# Altium PCB 相敏检波器.PcbDoc
Units mm, origin at the board's own origin, x right, y up, seen from the top; angles counter-clockwise.
Board outline 50 x 40 mm, 2 copper layers (Top Layer, Bottom Layer); 18 components, 11 nets, 61 pads, 3 vias.
Unrouted connection lines stored in the file: 1.
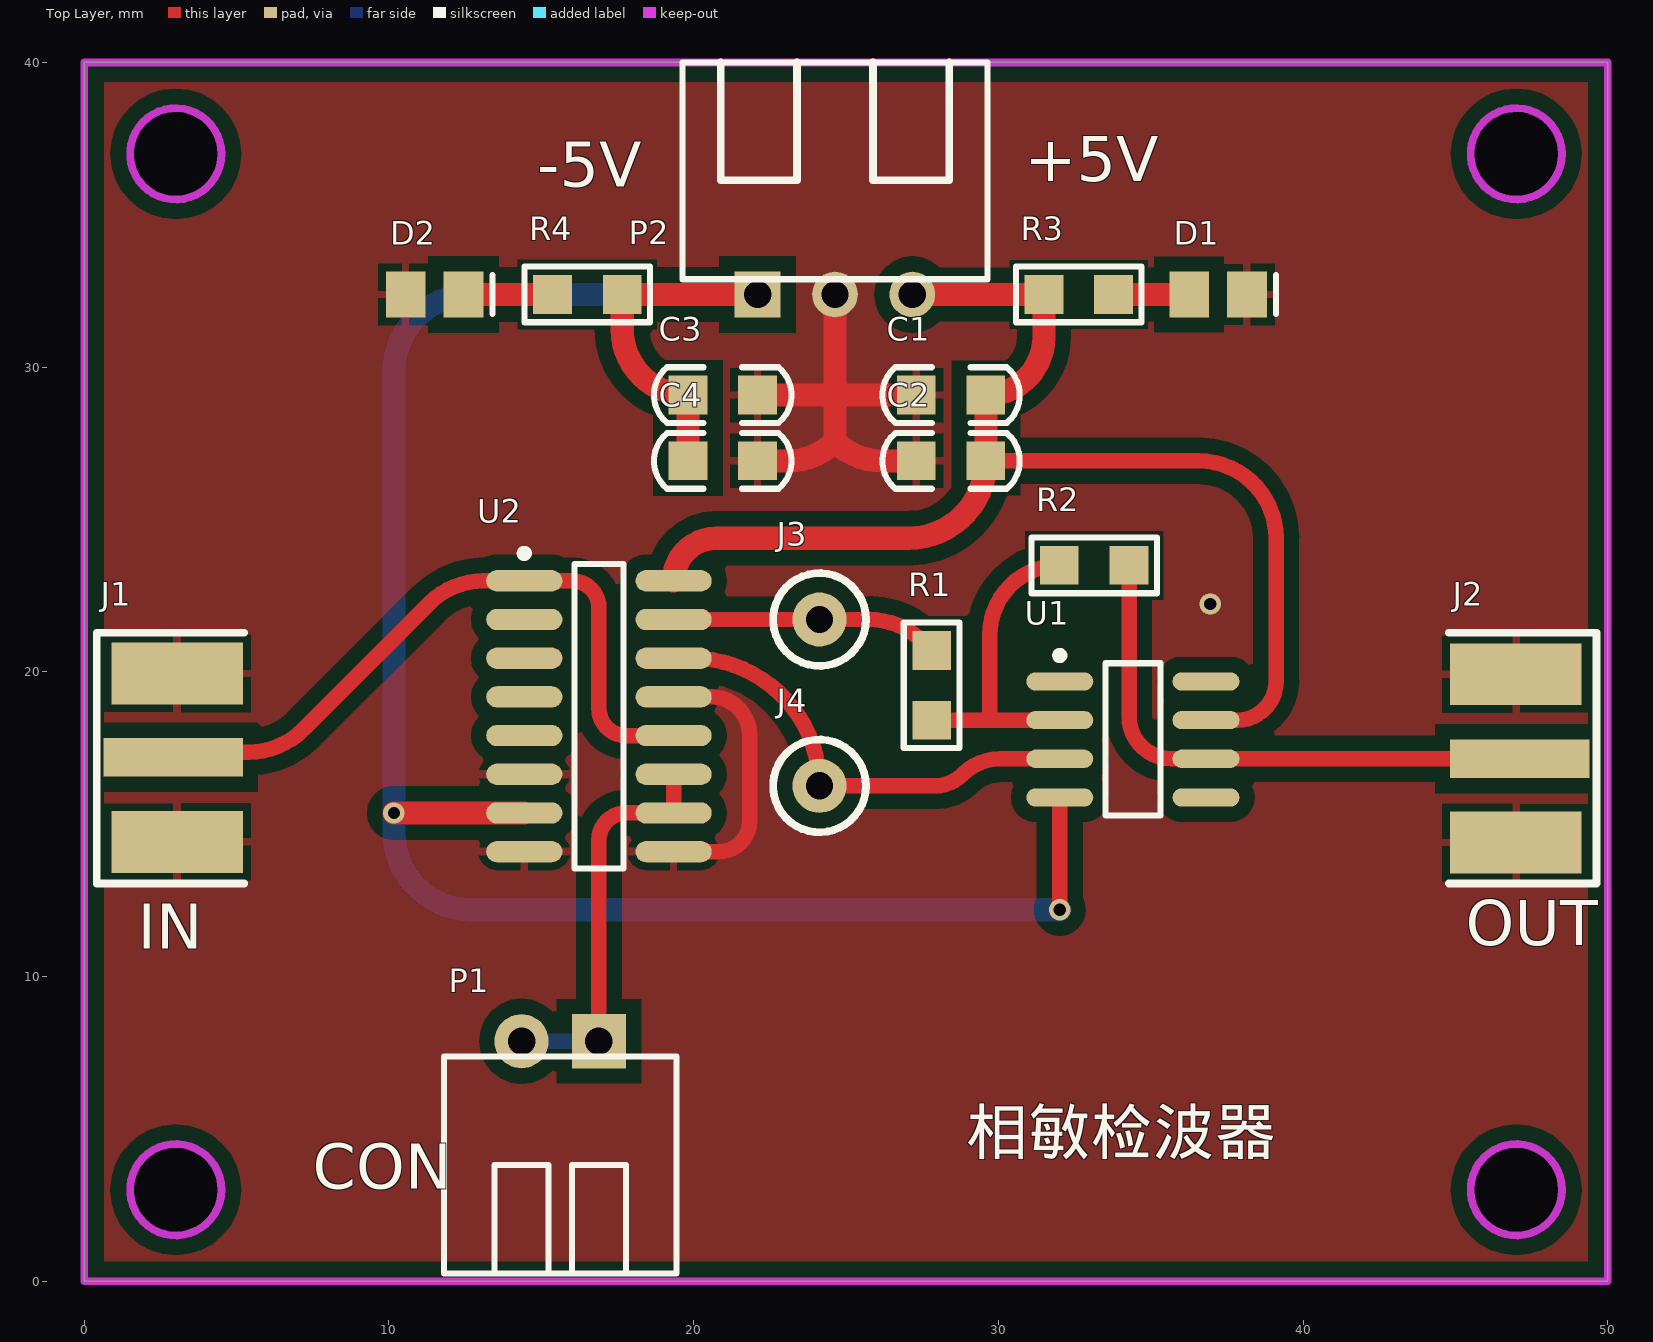
[diagram p0: Top Layer view]
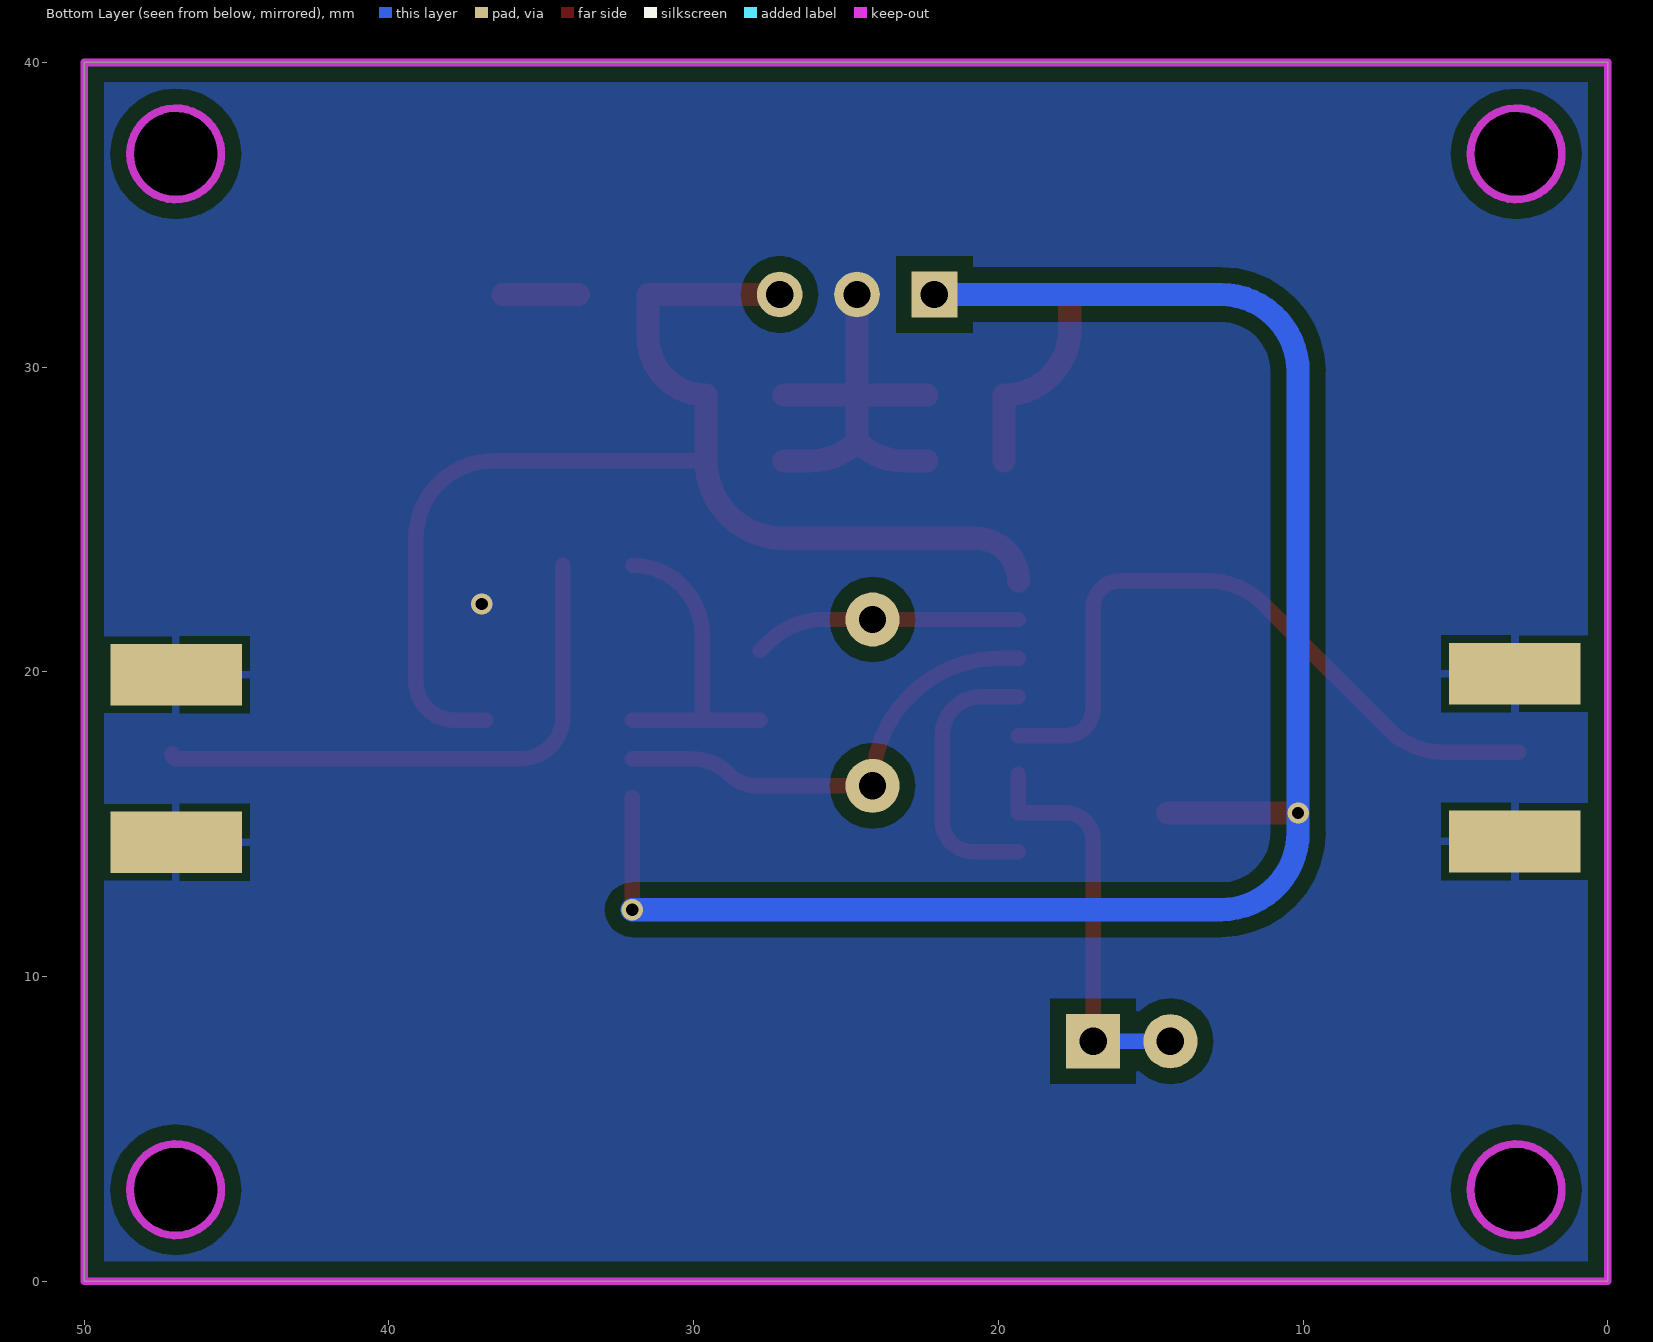
[diagram p1: Bottom Layer view, seen from below]
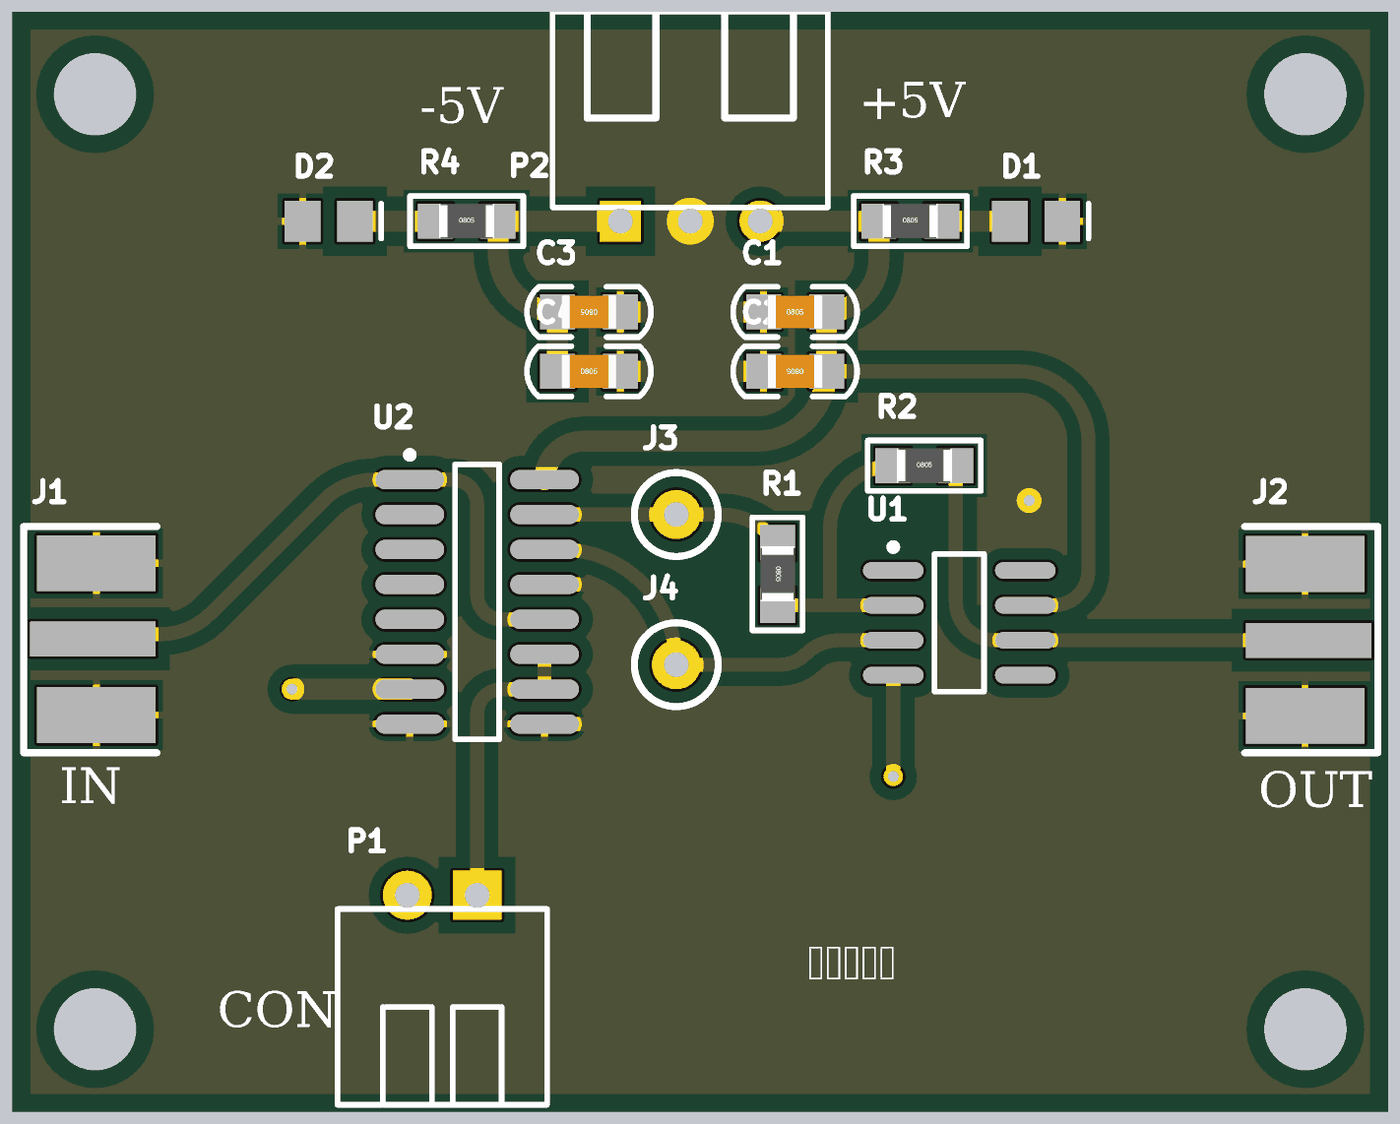
[diagram p2: 3D render of the assembled board from above, using the file's embedded part models]

## Layer stack, top to bottom
Top Solder: solder mask 0.0102, Solder Resist, Dk 3.5
Top Layer: signal copper 0.0356
Dielectric 1: dielectric 0.32, FR-4, Dk 4.8
Bottom Layer: signal copper 0.0356
Bottom Solder: solder mask 0.0102, Solder Resist, Dk 3.5

## Board outline
0,0 0,40 50,40 50,0
cut-out: 45.5,3 ccw(c47,3) 47,1.5 ccw(c47,3) 48.5,3 ccw(c47,3) 47,4.5 ccw(c47,3)
cut-out: 3,1.5 cw(c3,3) 1.5,3 cw(c3,3) 3,4.5 cw(c3,3) 4.5,3 cw(c3,3)
cut-out: 45.5,37 ccw(c47,37) 47,35.5 ccw(c47,37) 48.5,37 ccw(c47,37) 47,38.5 ccw(c47,37)
cut-out: 3,35.5 cw(c3,37) 1.5,37 cw(c3,37) 3,38.5 cw(c3,37) 4.5,37 cw(c3,37)

## Design rules (kind name [scope] priority, off if disabled: settings)
Clearance [All] p1: gap=0.254 ignorepadtopadclearanceinfootprint=FALSE except(0: Arc-Hole Track-Hole SMDPad-Hole THPad-Hole Via-Hole Fill-Hole Poly-Hole Region-Hole Text-Hole; 0.508: Arc-Poly Track-Poly SMDPad-Poly THPad-Poly Via-Poly Fill-Poly Poly-Poly)
PolygonConnect [All] p1: thpad.connectstyle=Direct thpad.reliefconductorwidth=0.254 thpad.reliefentries=4 thpad.polygonreliefangle="90 Angle" thpad.airgapwidth=0.254 smdpad.connectstyle=Relief smdpad.reliefconductorwidth=0.254 smdpad.reliefentries=4 smdpad.polygonreliefangle="90 Angle" smdpad.airgapwidth=0.254 via.connectstyle=Direct via.reliefconductorwidth=0.254 via.reliefentries=4 via.polygonreliefangle="90 Angle" via.airgapwidth=0.254
RoutingVias [All] p1: holewidth=0.711 width=1.778 viastyle="Through Hole" minholewidth=0.3 minwidth=0.6 maxholewidth=0.711 maxwidth=2.54
SolderMaskExpansion [All] p1: expansion=0.102
Width [All] p1: maxlimit=1.27 minlimit=0.254 preferedwidth=0.508
30 further rules are at their usual default settings.

## Components (designator, comment, footprint, x,y, rotation, side; value= is the part's Value field where it differs from the comment)
C1 "104" "C 0805" 28.448,29.083 r0 top
C2 "6.8uf" "C 0805" 28.448,26.924 r180 top
C3 "104" "C 0805" 20.955,29.083 r180 top
C4 "6.8uf" "C 0805" 20.955,26.924 r0 top
D1 "LED" LED_0805 37.211,32.385 r0 top
D2 "LED" LED_0805 11.496,32.385 r0 top
J1 "COAX" MCX5.08-5-H 2.921,17.196 r180 top
J2 "COAX" MCX5.08-5-H 47.117,17.145 r0 top
J3 "CHECK" CHECK-A 24.13,21.717 r0 top
J4 "CHECK" CHECK-A 24.13,16.256 r0 top
P1 "Header 2" HDR2X1_B2 16.891,7.874 r180 top
P2 "Header 3" HDR3X1_B2 24.638,32.385 r0 top
R1 "20K" "R 0805" 27.813,19.558 r270 top
R2 "20K" "R 0805" 33.147,23.495 r0 top
R3 "1K" "R 0805" 32.639,32.385 r0 top
R4 "1K" "R 0805" 16.51,32.385 r0 top
U1 "OPA820" SOIC8_N 34.417,17.78 r0 top
U2 "CD4053" NSO16_M 16.891,18.542 r0 top

## Footprints (in the part's own frame and the unit in brackets; to place one, negate y for a bottom-side part, rotate by r counter-clockwise, add the part's x,y. Pads: shape width x height; smd on the part's side, far side on the other; paste and mask are expansions set on the pad)
"C 0805" [mil] "无极性贴片电容"
  rect 50x50 smd: 1(-45,0) 2(45,0)
  silkscreen extent -89,-36 89,36, body extent -39,-24 39,24, height 20
CHECK-A [mil] "Connector; Plug"
  round 70 hole 35.43: 1(0,0)
  silkscreen extent -60,-60 60,60
HDR2X1_B2 [mil] "Connector; Header; 4 Position"
  rect 70x70 hole 35.43: 1(0,0)
  round 70 hole 35.43: 2(100,0)
  silkscreen extent -100,20 200,300, body extent -100,15 200,300, height 217
HDR3X1_B2 [mm] "Connector; Header; 3 Position"
  rect 1.5x1.5 hole 0.9: 1(-2.54,0)
  round 1.5 hole 0.9: 2(0,0) 3(2.54,0)
  silkscreen extent -5,0.5 5,7.62, body extent -5,0.5 5,7.62, height 6
LED_0805 [mm] "贴片二极管"
  rect 1.3x1.5 smd: 1(-0.95,0) 2(0.95,0)
  silkscreen extent 1.91,-0.64 1.91,0.64
MCX5.08-5-H [mil]
  rect 180x50 smd: 1(0,0)
  rect 170x80 smd: 2(-5,109.25) 5(-5,-108.27)
  rect 170x80 smd far side: 3(-5,108.66) 4(-5,-107.87)
  silkscreen extent -92,-161 99,163, body extent -93,-132 80,134, height 39
NSO16_M [mm] "SOIC, 16-Leads, Body 9.9x3.9mm, Pitch 1.27mm, IPC Low Density"
  oval 2.5x0.7 smd: 1(-2.45,4.445) 2(-2.45,3.175) 3(-2.45,1.905) 4(-2.45,0.635) 5(-2.45,-0.635) 6(-2.45,-1.905) 7(-2.45,-3.175) 8(-2.45,-4.445) 9(2.45,-4.445) 10(2.45,-3.175) 11(2.45,-1.905) 12(2.45,-0.635) 13(2.45,0.635) 14(2.45,1.905) 15(2.45,3.175) 16(2.45,4.445)
  silkscreen extent -2.57,-5 0.8,5.47, body extent -2,-5 2,5, height 1.75
"R 0805" [mil] "1/8W贴片电阻"
  rect 50x50 smd: 1(-45,0) 2(45,0)
  silkscreen extent -81,-36 81,36, body extent -39,-25 39,25, height 20
SOIC8_N [mm] "8-Pin Small Outline Integrated Circuit Package (SOIC8), IPC Medium Density"
  oval 2.2x0.6 smd: 1(-2.4,1.905) 2(-2.4,0.635) 3(-2.4,-0.635) 4(-2.4,-1.905) 5(2.4,-1.905) 6(2.4,-0.635) 7(2.4,0.635) 8(2.4,1.905)
  silkscreen extent -2.52,-2.5 0.9,2.88, body extent -1.95,-2.45 1.95,2.45, height 1.75

## Part data
C1 C2 C3 C4: library part C, "无极性贴片电容"
D1 D2: "发光二极管", LatestRevisionDate=08-Jul-2005, LatestRevisionNote="Mech Layer 1 removed.", PackageReference=LED, Published=8-Jun-2000, Publisher="Altium Limited"
J3 J4: "测试点"
P1 P2: "接插件", LatestRevisionDate=17-Jul-2002, LatestRevisionNote="Re-released for DXP Platform.", Publisher="Altium Limited"
R1 R2 R3 R4: library part R, "贴片电阻"
U1: "单位增益稳定低噪声电压反馈运算放大器"
U2: "CMOS Single 8-Channel Analog Multiplexer/Demultiplexer  With Logic-Level Conversion"

## Via types
v1: diameter 0.7, hole 0.4, Top Layer to Bottom Layer, 3 vias

## Nets (pads, with @x,y where several pads share a name; then routed paths per layer and width w, separated by ;. In a path a pad name is that pad's centre, name@x,y a point inside that pad or via, vN(x,y) a via of type N, cw(c..) or ccw(c..) an arc to the next point about the centre after c; other vN are vias at no path point)
GND: C1.1 C2.2 C3.1 C4.2 D1.2 D2.1 J1.2 J1.3 J1.4 J1.5 J2.2 J2.3 J2.4 J2.5 P2.2 U2.6 U2.8 U2.9 U2.13 | length 23.7
  Top Layer w0.508: U2.9 20.828,14.097 ccw(c20.828,15.113) 21.844,15.113 21.844,17.907 ccw(c20.574,17.907) 20.574,19.177 U2.13
  Top Layer w0.762: C4.2@22.352,26.924 23.105,26.924 ccw(c23.105,29.092) 24.638,27.559 ; C3.1@22.352,29.083 24.638,29.083 ; P2.2 24.638,29.083 ; C2.2@27.051,26.924 26.171,26.924 cw(c26.171,29.092) 24.638,27.559 ; C1.1@27.051,29.083 24.638,29.083 ; 24.638,27.559 24.638,29.083
  other v1: 36.957,22.225
NetD1_1: D1.1 R3.2 | length 2.5
  Top Layer w0.762: R3.2 D1.1
NetD2_2: D2.2 R4.1 | length 2.9
  Top Layer w0.762: D2.2 R4.1
NetJ1_1: J1.1 U2.1 U2.12 | length 22.8
  Top Layer w0.508: J1.1@2.921,17.365 5.391,17.365 ccw(c5.391,19.905) 7.187,18.109 11.321,22.243 cw(c13.117,20.447) 13.117,22.987 U2.1 16.002,22.987 cw(c16.002,22.098) 16.891,22.098 16.891,18.796 ccw(c17.78,18.796) 17.78,17.907 U2.12
NetJ2_1: J2.1 R2.2 U1.6 | length 18.7
  Top Layer w0.508: R2.2 34.29,18.542 ccw(c35.687,18.542) 35.687,17.145 U1.6 46.948,17.145 ccw(c46.948,17.314) J2.1@47.117,17.314
NetJ3_1: J3.1 R1.1 U2.15 | length 8.8
  Top Layer w0.508: U2.15 J3.1 25.745,21.717 cw(c25.745,19.177) 27.541,20.973 R1.1
NetJ4_1: J4.1 U1.3 U2.14 | length 15.3
  Top Layer w0.508: U2.14 19.939,20.447 cw(c19.939,16.256) J4.1 27.909,16.256 ccw(c27.909,17.557) 28.829,16.637 cw(c30.055,15.411) 30.055,17.145 U1.3
NetP1_1: P1.1 P1.2 U2.10 U2.11 | length 13.4
  Top Layer w0.508: P1.1 16.891,14.478 cw(c17.78,14.478) 17.78,15.367 U2.10 U2.11
  Bottom Layer w0.508: P1.2 P1.1
NetR1_2: R1.2 R2.1 U1.2 | length 10.6
  Top Layer w0.508: R1.2 29.718,18.415 ; R2.1 ccw(c32.004,21.209) 29.718,21.209 29.718,18.415 ; U1.2 29.718,18.415
VCC: C1.2 C2.1 P2.3 R3.1 U1.7 U2.16 | length 41.9
  Top Layer w0.508: C2.1 36.576,26.924 cw(c36.576,24.384) 39.116,24.384 39.116,19.812 ; U1.7 37.846,18.415 ccw(c37.846,19.685) 39.116,19.685
  Top Layer w0.762: U2.16 cw(c20.738,22.987) 20.738,24.384 27.051,24.384 ccw(c27.051,26.924) C2.1 C1.2 ccw(c29.591,30.988) 31.496,30.988 R3.1 P2.3
VEE: C3.2 C4.1 P2.1 R4.2 U1.4 U2.7 | length 70.9
  Top Layer w0.508: v1(32.017,12.192) U1.4
  Top Layer w0.762: v1(10.16,15.367) U2.7 ; C4.1 C3.2 cw(c19.812,31.242) 17.653,31.242 R4.2 P2.1
  Bottom Layer w0.762: P2.1 12.7,32.385 ccw(c12.7,29.845) 10.16,29.845 v1(10.16,15.367) 10.16,14.732 ccw(c12.7,14.732) 12.7,12.192 v1(32.017,12.192)
pads on no net: U1.1 U1.5 U1.8 U2.2 U2.3 U2.4 U2.5

## Polygon pours and split planes (outlines as drawn)
GND on Bottom Layer "Top Layer-No Net1" (solid, remove dead copper, pour order 3): 0,0 0,40 50,40 50,0
GND on Top Layer "Top Layer-No Net" (solid, remove dead copper, pour order 2): 0,0 0,40 50,40 50,0

## Keep-outs
Keep-Out Layer:
  circle w0.254: c3,3 r1.5
  circle w0.254: c47,3 r1.5
  circle w0.254: c47,37 r1.5
  circle w0.254: c3,37 r1.5
  lines w0.254: 0,0 50,0 50,40 0,40 0,0

## Silkscreen, mask and mechanical layers (free items; w line width, h text height)
Top Overlay:
  text "+5V" at 30.861,35.614 h2.54
  text "-5V" at 14.859,35.433 h2.54
  text "OUT" at 45.339,10.541 h2.54
  text "IN" at 1.753,10.414 h2.54
  text "相敏检波器" at 28.956,3.683 h2.54
  text "CON" at 7.493,2.54 h2.54